# Allegro board RK_NVR_DEMO1_RK3588_LP4XD200P232SD8_V21_20211228_final_lint.brd (continued)
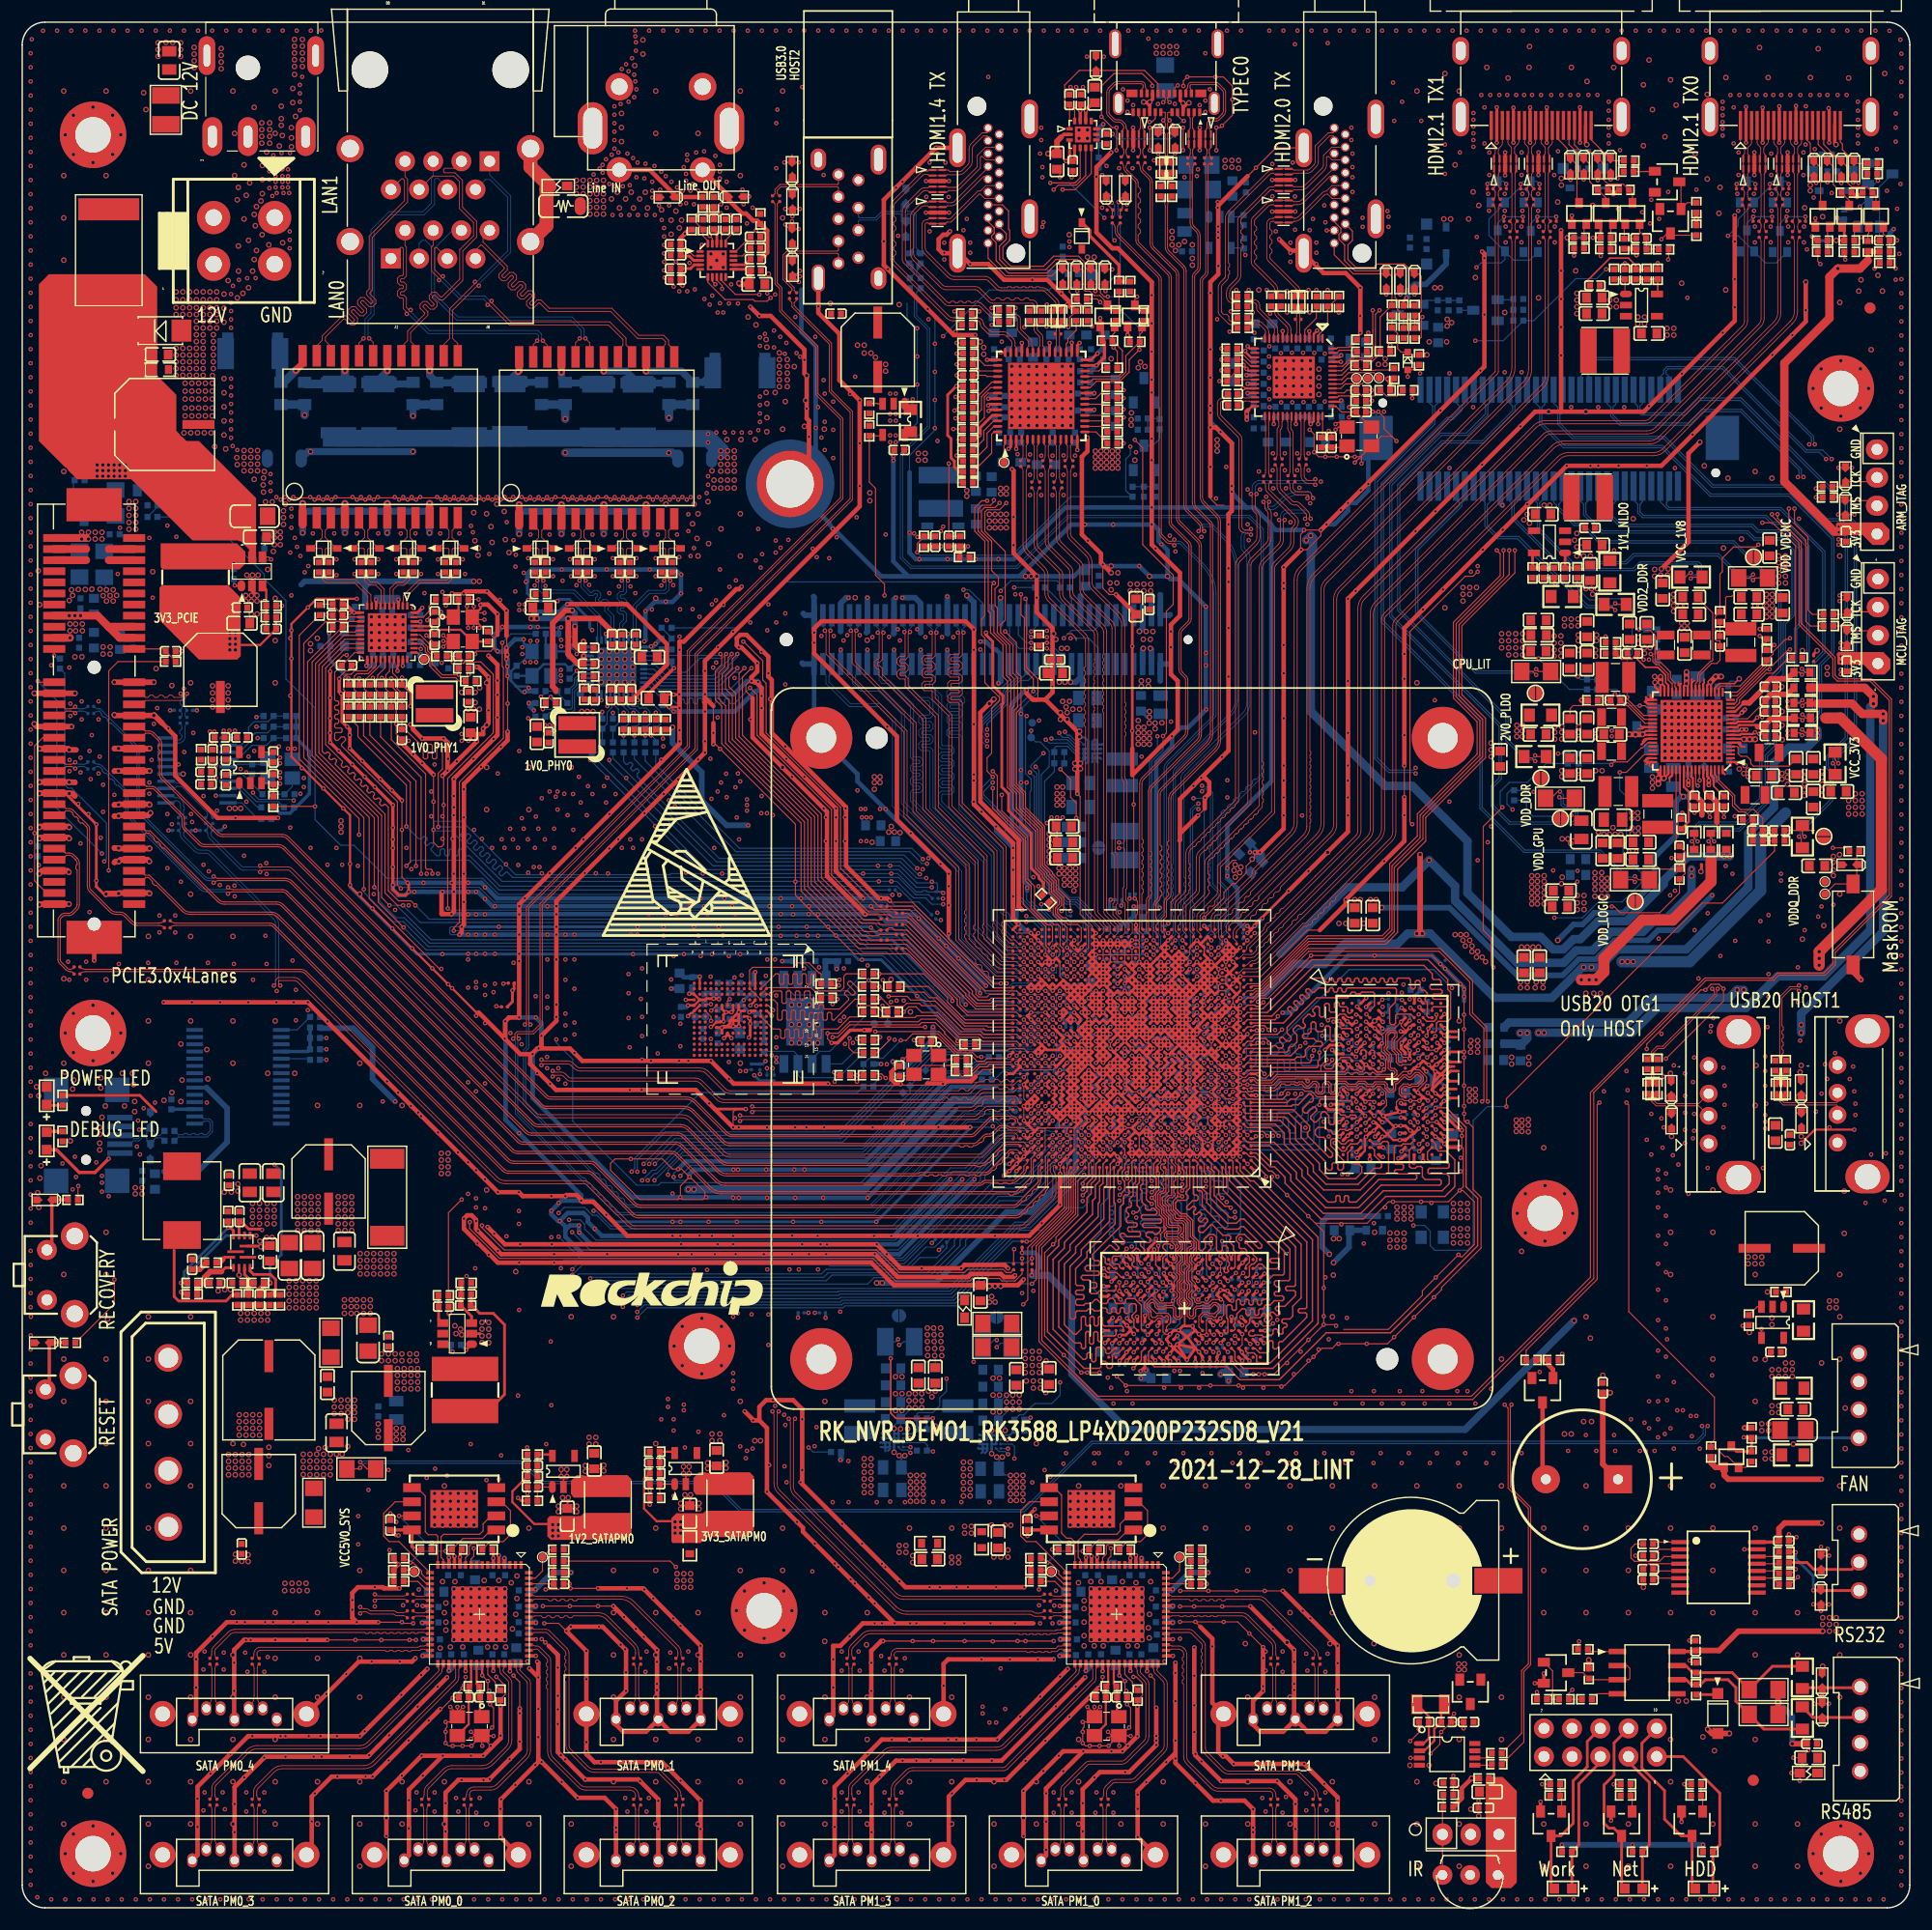
[diagram p0: board, top side]
## Copper pours and planes (outline as drawn; the poured copper is in the pictures) (continued)
VCC_3V3 on BOTTOM: 25.07,120.13 41.32,120.13 41.45,120.01 41.45,119.37 41.2,119.12 31.29,119.12 31.04,118.86 31.04,116.96 30.66,116.96 30.66,118.48 30.15,118.99 28.32,118.99 27.1,117.77 27.1,113.12 26.59,112.62 25.58,112.62 24.86,113.33 24.86,119.93
VCC_3V3 on BOTTOM: 98.12,132.73 100.45,132.73 100.76,133.04 100.76,136.19 100.66,136.29 99.74,136.29 99.64,136.19 99.64,134.26 99.34,133.95 98.02,133.95 97.91,133.85 97.91,132.94
VCC_3V3 on BOTTOM: 95.58,109.87 93.24,109.87 93.14,109.97 93.14,110.79 95.58,110.79 95.68,110.69 95.68,109.97
VCC_3V3 on L3-POWER1: 62.15,80.92 72.31,80.92 75.46,84.07 76.17,84.07 76.58,84.47 76.58,86.1 71.6,91.08 71.6,100.93 73.12,102.46 77.49,102.46 77.8,102.15 77.8,100.63 77.19,100.02 77.19,97.99 77.49,97.68 77.49,89.65 79.02,88.13 79.02,82.24 80.13,81.12 80.13,79.29 74.95,74.11 65,74.11 56.56,65.68 37.97,65.68 37.46,66.18 37.46,69.33 37.87,69.74 52.09,69.74 61.14,78.78 61.14,79.9
VCC_3V3 on L4-S1: 86.64,82.03 94.05,82.03 94.26,81.83 94.26,81.32 93.75,80.81 86.64,80.81 86.33,81.12 86.33,81.73
VCC_3V3 on L4-S1: 129.11,22.39 130.12,22.39 130.33,22.19 130.33,21.18 130.22,21.07 129.21,21.07 129,21.28 129,22.29
VCC_3V3 on L4-S1: 62.15,30.01 62.15,27.07 61.44,26.36 52.6,26.36 50.06,28.9 50.06,39.97 32.99,57.04 32.99,83.66 24.66,91.99 24.66,114.24 25.68,115.26 26.9,115.26 28.22,113.94 28.22,92.5 34.62,86.1 38.58,86.1 39.09,85.59 39.09,61.21 57.99,42.31 57.99,31.23 58.8,30.42 61.75,30.42
VCC_3V3 on L4-S1: 88.26,79.19 94.16,79.19 94.36,78.99 94.36,78.58 94.05,78.27 88.36,78.27 88.16,78.48 88.16,79.09
VCC_3V3 on L4-S1: 76.88,102.76 78.1,102.76 86.13,110.79 95.37,110.79 95.68,110.48 95.68,105.2 97.61,103.27 102.08,103.27 106.55,107.74 106.55,125.11 107.87,126.43 107.87,127.04 104.62,130.29 104.62,139.54 105.74,140.66 105.74,140.96 111.43,146.65 127.79,146.65 129.21,145.23 129.21,142.18 128.9,141.88 126.77,141.88 124.33,144.31 121.49,144.31 120.27,143.1 110.31,143.1 107.47,140.25 107.47,134.97 108.28,134.15 108.28,129.68 110.11,127.86 110.11,121.96 109.7,121.56 109.7,107.43 100.45,98.19 92.53,98.19 92.53,98.29 91.41,99.41 77.09,99.41 76.38,100.12 76.38,102.25
VCC_3V3 on L4-S1: 165.38,101.34 165.38,109.57 163.65,111.29 163.65,122.06 163.35,122.37 163.35,124.6 163.55,124.81 165.48,124.81 166.09,124.2 166.09,111.9 168.83,109.16 168.83,98.7 168.63,98.49 168.63,24.83 168.12,24.33 161.82,24.33 161.72,24.43 161.72,88.33 163.45,90.06 163.45,99.41
VCC_3V3 on L6-S2: 61.24,30.73 62.05,29.91 62.05,26.66 65.3,23.41 129.31,23.41 132.66,26.76 163.85,26.76 164.16,26.46 164.16,23.51 162.63,21.99 160.7,21.99 153.69,14.98 151.36,14.98 150.65,15.69 150.65,16.2 147.8,19.04 59.92,19.04 57.17,21.79 57.17,30.12 57.78,30.73
VCC_3V3 on L6-S2: 108.07,132.63 108.07,131.11 107.87,130.9 103.1,130.9 100.76,133.24 99.64,133.24 99.54,133.34 99.54,135.07 99.74,135.27 102.08,135.27 104.42,132.94 107.77,132.94
VCC_3V3 on L6-S2: 106.45,85.59 106.04,85.18 105.43,85.18 105.33,85.08 105.13,85.08 104.93,84.88 104.93,84.57 105.64,83.86 105.64,82.95 105.33,82.64 105.33,80 105.84,79.49 106.35,79.49 106.65,79.19 106.65,78.99 106.75,78.88 106.75,78.68 106.65,78.58 106.45,78.58 106.14,78.27 104.32,78.27 104.01,78.58 104.01,82.44 104.42,82.85 104.62,82.85 104.82,83.05 104.82,83.66 104.72,83.76 104.32,83.76 104.01,84.07 104.01,85.39 104.42,85.79 104.93,85.79 105.43,86.3 105.43,87.42 106.25,88.23 106.45,88.23 108.58,90.37 111.94,90.37 112.14,90.57 122.6,90.57 122.81,90.37 122.81,89.96 122.71,89.86 113.66,89.86 113.26,89.45 109.7,89.45 107.57,87.32 106.86,87.32 106.45,86.91
VCC_3V3_P on TOP: 163.37,103.22 163.37,103.57 163.75,103.57 164.06,103.88 164.06,104.69 163.83,104.92 163.27,104.92 163.24,104.94 158.04,104.94 157.91,104.82 157.91,103.29 158.04,103.17 163.32,103.17
VCC_OVDD33 on BOTTOM: 118.64,139.54 119.05,139.54 119.15,139.64 119.15,140.15 119.25,140.25 121.49,140.25 121.69,140.45 121.69,143.71 122.2,144.21 124.23,144.21 124.64,143.81 124.64,142.79 123.62,141.77 123.62,138.83 123.21,138.42 118.74,138.42 118.54,138.63 118.54,139.44
VCC_OVDD33 on BOTTOM: 108.89,138.63 110.01,138.63 110.11,138.52 110.41,138.52 110.82,138.93 111.12,138.93 111.33,139.13 111.33,139.64 111.02,139.95 108.99,139.95 108.68,139.64 108.68,138.83
VCC_OVDD33 on L6-S2: 121.18,144.42 109.19,144.42 108.48,143.71 108.48,137.61 108.74,137.36 109.85,137.36 110.11,137.1 110.72,137.1 111.53,137.91 111.53,139.44 112.44,140.35 117.52,140.35 120.67,137.2 123.62,137.2 124.23,137.81 124.23,141.37
VCC_OVDD33_6161 on BOTTOM: 100.35,137.3 100.56,137.1 101.67,137.1 102.08,137.51 102.08,138.52 100.05,140.56 100.05,142.38 98.52,143.91 93.14,143.91 92.23,142.99 92.23,141.67 92.33,141.57 93.14,141.57 93.34,141.77 93.34,142.49 93.75,142.89 98.02,142.89 98.52,142.38 98.52,139.44 98.22,139.13 97.1,139.13 97,139.23 96.19,139.23 95.88,138.93 95.88,137.3 96.09,137.1 96.9,137.1 97,137 97,135.88 96.59,135.48 95.88,135.48 95.78,135.37 95.78,134.76 95.98,134.56 97.31,134.56 97.81,135.07 97.81,137.1 98.02,137.3
VCC_OVDD33_6161 on L6-S2: 87.55,135.37 84.71,135.37 83.89,136.19 83.89,142.69 85.42,144.21 91.62,144.21 92.12,144.72 96.7,144.72 97.2,144.21 100.66,144.21 101.78,143.1 101.78,138.63 100.81,137.66 96.95,137.66 95.07,139.54 88.67,139.54 88.26,139.13 88.26,136.09
VCC_RTC on TOP: 129.94,18.79 129.94,17.98 130.45,17.47 130.45,15.23 130.35,15.13 130.35,14.62 130.45,14.52 131.47,14.52 131.57,14.62 131.57,18.48 131.06,18.99 130.15,18.99
VCCA1V8_IMAGE on TOP: 150.24,95.85 151.13,95.85 151.25,95.72 151.25,94.63 150.95,94.33 150.95,92.8 150.75,92.6 150.34,92.6 150.04,92.91 150.04,95.65
VCCA1V8_IMAGE on BOTTOM: 106.86,81.27 106.73,81.15 106.73,80.89 106.86,80.76 107.24,80.76 107.49,80.51 107.87,80.51 108,80.64 108,81.15 108.25,81.4 108.25,81.78 108.13,81.91 108.13,82.16 108.25,82.29 109.78,82.29 109.9,82.42 111.17,82.42 116.41,87.65 116.41,88.54 116.1,88.84 115.29,88.84 110.92,84.47 110.69,84.47 109.27,83.05 108.38,83.05 108,82.67 106.86,82.67
VCCA1V8_IMAGE on L6-S2: 94.56,79.8 95.17,79.8 95.88,80.51 95.88,82.95 93.44,85.39 93.44,87.42 93.14,87.72 92.63,87.72 92.23,87.32 92.23,84.88 93.75,83.35 94.26,83.35 94.87,82.75 94.87,82.03 95.07,81.83 95.07,81.02 94.87,80.81 94.87,80.41 94.77,80.31 94.46,80.31 94.46,79.9
VCCA1V8_IMAGE_P on TOP: 149.53,96.44 149.27,96.69 149.27,97.58 149.65,97.58 149.91,97.83 149.91,100.25 149.73,100.42 149.73,100.8 150.42,100.12 150.42,98.09 151.25,97.25 151.25,96.61 151.13,96.49 151.1,96.49 151.05,96.44
VCCA1V8_PLDO6 on BOTTOM: 153.54,110.58 153.54,109.82 154.94,109.82 155.06,109.95 155.06,110.02 155.12,110.08 155.12,110.79 154.81,111.09 154.4,111.09 154.4,111.07 154.3,110.96 153.92,110.96
VCCA3V3_PI6C_05 on TOP: 16.33,100.93 15.31,100.93 14.2,102.05 14.2,102.56 15.42,103.78 16.43,103.78 16.43,101.03
VCCA_1V8 on TOP: 151.51,94.51 151.51,95.72 151.64,95.85 152.52,95.85 152.65,95.72 152.65,94.94 152.78,94.81 152.78,94.53 152.98,94.33 152.98,92.4 143.74,83.15 140.28,83.15 139.88,83.56 139.88,85.08 144.35,89.55 147.7,89.55 150.54,92.4 150.85,92.4 151.66,93.21 151.66,94.41 151.56,94.51
VCCA_1V8 on BOTTOM: 97,69.84 97,69.54 96.9,69.44 96.49,69.44 96.39,69.54 96.39,69.84 96.19,70.05 95.98,70.05 95.88,70.15 95.88,70.45 96.59,71.16 96.9,71.16 97,71.06 97,70.86 96.9,70.76 96.7,70.76 96.7,70.15
VCCA_1V8 on BOTTOM: 93.44,74.41 93.65,74.41 93.75,74.31 93.75,74.11 93.95,73.91 93.95,73.6 93.85,73.5 93.85,72.28 93.95,72.18 93.95,71.87 93.85,71.87 93.55,71.57 93.55,71.26 93.44,71.16 93.04,71.16 92.94,71.26 92.94,71.47 93.34,71.87 93.34,74.31
VCCA_1V8 on BOTTOM: 102.18,84.47 102.28,84.47 102.49,84.27 103.4,84.27 103.6,84.47 103.71,84.47 103.81,84.37 103.81,83.86 103.5,83.56 103.3,83.76 102.49,83.76 102.28,83.56 102.08,83.56 102.08,84.37
VCCA_1V8 on BOTTOM: 99.24,84.47 98.83,84.88 98.63,84.88 98.32,85.18 98.32,85.39 98.52,85.59 99.24,85.59 99.34,85.49 99.54,85.49 99.85,85.18 99.85,84.78 99.54,84.47
VCCA_1V8 on L6-S2: 94.36,71.06 94.26,71.16 93.95,71.16 93.04,72.08 93.04,73.91 93.44,74.31 93.65,74.31 93.95,74.01 98.52,74.01 99.34,74.82 99.34,77.06 99.13,77.26 99.13,77.67 99.44,77.97 99.44,84.07 99.13,84.37 99.13,84.68 99.44,84.98 99.44,85.18 100.56,86.3 100.56,89.76 100.25,90.06 100.05,90.06 99.95,90.16 99.95,90.57 100.56,91.18 100.56,92.5 103.6,95.55 121.79,95.55 121.84,95.5 123.26,95.5 125.35,93.41 126.06,93.41 126.36,93.11 126.36,93.01 127.68,91.69 131.65,91.69 135.61,87.72 136.42,87.72 138.66,85.49 142.01,85.49 142.72,84.78 142.72,83.46 142.42,83.15 138.45,83.15 137.84,83.76 135.51,83.76 133.68,85.59 133.68,87.11 130.83,89.96 130.22,89.96 130.17,89.91 126.11,89.91 123.01,93.01 122.1,93.01 122.04,93.06 115.95,93.06 115.54,93.46 112.14,93.46 110.77,92.09 106.75,92.09 102.99,88.33 102.99,85.89 102.28,85.18 102.28,84.37 102.39,84.27 103.5,84.27 104.21,83.56 104.62,83.56 104.72,83.46 104.72,83.25 104.62,83.15 104.21,83.15 103.91,82.85 103.91,82.64 103.71,82.44 103.71,76.65 103.55,76.5 103.55,74.46 103.5,74.41 103.5,74.21 103.3,74.01 102.69,74.01 101.88,73.19 101.17,73.19 100.86,72.89 100.86,72.18 100.76,72.08 100.25,72.08 99.64,71.47 97.81,71.47 96.29,69.94 94.97,69.94 94.36,70.55
VCCA_1V8_P on TOP: 151.76,96.49 152.5,96.49 152.58,96.56 152.58,97.32 151.69,98.21 151.69,98.47 151.31,98.85 151.18,98.85 151.05,98.72 151.05,97.66 151.64,97.07 151.64,96.61
VCCA_3V3 on TOP: 153.03,94.51 153.03,95.72 153.16,95.85 154.05,95.85 154.18,95.72 154.18,94.51
VCCA_3V3_P on TOP: 153.08,96.56 154.1,96.56 154.1,97.07 152.83,98.34 152.58,98.34 152.45,98.21 152.45,97.83 152.96,97.32 152.96,96.69
VCCA_ASPVCC33 on BOTTOM: 116.2,133.55 115.9,133.55 115.19,134.26 114.78,134.26 114.68,134.36 114.68,134.56 114.78,134.66 116.3,134.66 116.3,133.65
VCCA_ASPVCC33 on BOTTOM: 108.28,136.09 108.18,136.19 108.18,137.71 108.68,138.22 109.6,138.22 110.21,137.61 110.21,136.9 110.01,136.69 110.01,136.09
VCCA_PVCC33_6161 on BOTTOM: 93.14,140.25 94.56,140.25 94.66,140.35 94.66,140.86 94.87,141.06 94.87,142.08 94.77,142.18 93.85,142.18 93.75,142.08 93.75,141.37 93.04,140.66 93.04,140.35
VCCA_TPVCC33 on BOTTOM: 116.61,141.17 118.74,141.17 119.25,140.66 119.96,140.66 120.17,140.86 120.17,142.08 119.25,142.99 116.91,142.99 116.41,142.49 116.41,141.37
VCCIO_PHY0 on TOP: 55.8,109.47 55.9,109.57 56.51,109.57 56.82,109.26 56.82,108.65 56.92,108.55 57.45,108.55 58.33,107.68 58.33,107.32 58.34,107.31 58.34,106.8 58.27,106.72 53.26,106.72 52.55,107.43 52.55,108.5 52.75,108.7 52.75,109.21 54.28,109.21 54.28,108.45 54.4,108.32 55.55,108.32 55.8,108.58
VCCIO_PHY1 on BOTTOM: 29.21,110.23 29.21,110.48 27.4,112.29 27.4,114.95 27.61,115.16 27.81,115.16 28.73,114.24 29.54,114.24 29.74,114.04 29.74,112.74 30.94,111.55 30.94,111.55 31.24,111.55 31.24,111.55 31.85,111.55 32.05,111.75 32.05,112.26 32.26,112.46 33.06,112.46 33.06,112.45 33.68,112.45 33.83,112.3 33.83,112.01 34.08,111.75 34.08,111.63 34.11,111.6 34.11,110.69 34.21,110.58 34.52,110.58 34.62,110.48 34.62,109.97 29.46,109.97
VCCIO_SD_P on TOP: 152.83,99.74 153.85,99.74 153.85,100.25 152.58,101.52 152.32,101.52 152.19,101.39 152.19,101.01 152.7,100.5 152.7,99.86
VDD1_1V8_DDR on BOTTOM: 132.51,76.14 132.76,75.89 132.76,75.84 132.87,75.73 139.77,75.73 145.31,70.2 145.31,60.14 137.54,52.37 124.53,52.37 116.3,44.14 101.88,44.14 100.05,45.97 100.05,48 100.86,48.81 101.78,48.81 102.18,48.4 102.18,46.88 102.59,46.47 106.45,46.47 107.77,47.79 107.77,48.51 108.07,48.81 108.99,48.81 109.19,48.61 109.19,47.08 109.8,46.47 113.56,46.47 121.99,54.91 134.29,54.91 140.49,61.1 140.49,68.42 136.57,72.33 130.38,72.33 130.1,72.61 130.1,78.48 130.11,78.49 130.11,79.99 130.43,80.31 132.15,80.31 132.51,79.95
VDD1_1V8_DDR on L4-S1: 131.65,73.8 131.65,70.96 128.29,67.61 125.14,67.61 124.64,67.1 122.6,67.1 121.89,67.81 120.37,67.81 118.95,69.23 118.95,69.74 118.23,70.45 118.23,71.67 118.44,71.87 121.89,71.87 122.2,71.57 122.2,70.65 122.4,70.45 123.21,70.45 123.31,70.55 124.13,70.55 124.84,71.26 124.84,71.77 125.14,72.08 128.09,72.08 130.12,74.11 131.34,74.11
VDD1_1V8_DDR on L4-S1: 121.08,78.38 123.11,78.38 123.92,77.56 124.53,77.56 124.64,77.67 124.64,77.77 125.35,78.48 125.35,78.78 125.85,79.29 126.16,79.29 126.67,79.8 130.22,79.8 131.65,78.38 131.65,76.95 131.44,76.75 129.51,76.75 128.5,77.77 127.89,77.77 127.68,77.56 127.28,77.56 126.67,76.95 126.67,76.85 125.85,76.04 124.23,76.04 123.21,77.06 121.49,77.06 120.67,76.24 119.86,76.24 119.76,76.34 119.15,76.34 118.54,76.95 118.54,77.36 118.23,77.67 118.23,78.88 118.44,79.09 120.37,79.09
VDD1_1V8_DDR on L4-S1: 109.09,47.29 110.41,48.61 110.41,53.38 109.5,54.3 108.89,54.3 108.38,54.81 108.38,55.62 108.58,55.82 108.58,58.87 108.38,59.07 107.77,59.07 107.57,58.87 107.57,58.56 107.47,58.46 107.47,58.16 106.25,56.94 106.25,55.52 106.55,55.21 106.96,55.21 107.16,55.01 107.16,53.59 107.36,53.38 108.07,53.38 108.38,53.08 108.38,52.27 108.07,51.96 107.87,51.96 107.57,51.66 107.57,50.54 107.87,50.23 107.87,48.81 107.67,48.61 107.67,48 108.38,47.29
VDD1_1V8_DDR on L4-S1: 100.76,47.49 102.28,47.49 102.49,47.69 102.49,49.52 102.69,49.73 102.99,49.73 103.3,50.03 103.3,50.94 102.69,51.55 102.69,51.86 101.98,52.57 102.79,53.38 102.79,54.3 102.59,54.5 102.39,54.5 102.28,54.6 102.28,55.01 102.59,55.31 102.69,55.31 103.2,55.82 103.2,56.74 102.79,57.14 102.79,57.75 102.18,58.36 102.18,58.97 102.79,59.58 102.79,60.19 102.28,60.7 101.67,60.7 100.76,59.78 100.76,58.97 100.45,58.67 100.45,55.92 100.35,55.82 100.35,55.41 100.56,55.21 100.96,55.21 101.17,55.01 101.17,53.08 100.45,52.37 100.45,50.54 100.25,50.33 100.25,48
VDD1V2_SATAPM0 on TOP (solid shape): 54.91,35.45 54.91,33.8 54.28,33.16 47.62,33.16 47.32,33.47 47.32,35.09 47.55,35.32 48.18,35.32 48.19,35.32 48.31,35.3 48.43,35.32 48.44,35.32 49.83,35.32 49.84,35.32 49.96,35.3 50.08,35.32 50.09,35.32 50.34,35.32 50.59,35.58 54.79,35.58
VDD1V2_SATAPM0 on TOP: 81.35,33.47 81.35,32.66 80.85,32.15 80.24,32.15 79.83,31.74 78.92,31.74 78.61,32.05 78.61,32.86 79.22,33.47 79.32,33.47 79.42,33.57 81.25,33.57
VDD1V2_SATAPM0 on BOTTOM: 36.88,26.79 35.99,26.79 35.86,26.92 35.86,30.47 37.13,31.74 38.66,31.74 38.78,31.62 38.78,30.73 38.66,30.6 37.89,30.6 37.13,29.84 37.13,27.93 36.88,27.68
VDD1V2_SATAPM0 on BOTTOM: 46.15,24.88 46.53,24.5 46.53,23.49 45.9,22.85 45.9,22.34 44.75,21.2 44.12,21.2 43.99,21.07 43.36,21.07 42.97,21.46 42.97,22.09 43.1,22.22 43.86,22.22 44.12,22.47 44.88,22.47 45.26,22.85 45.26,23.87 45.51,24.12 45.51,24.76 45.64,24.88
VDD1V2_SATAPM0 on L4-S1: 34.31,33.06 34.31,22.6 36.85,20.06 45.39,20.06 47.62,22.29 47.62,31.03 48.74,32.15 48.74,34.79 48.54,34.99 44.78,34.99 43.56,33.77 35.02,33.77
VDD1V2_SATAPM0 on L6-S2: 80.03,32.86 80.03,31.84 79.32,31.13 48.64,31.13 47.83,31.95 47.83,34.69 48.23,35.09 51.08,35.09 53.21,32.96 79.93,32.96
VDD1V2_SATAPM1 on TOP: 85.27,32.38 85.27,31.23 84.76,30.73 82.47,30.73 82.09,31.11 82.09,33.39 82.17,33.47 84.17,33.47
VDD1V2_SATAPM1 on BOTTOM: 94.28,26.79 93.39,26.79 93.27,26.92 93.27,30.47 94.54,31.74 96.06,31.74 96.19,31.62 96.19,30.73 96.06,30.6 95.3,30.6 94.54,29.84 94.54,27.93 94.28,27.68
VDD1V2_SATAPM1 on BOTTOM: 103.55,24.88 103.93,24.5 103.93,23.49 103.3,22.85 103.3,22.34 102.16,21.2 101.52,21.2 101.39,21.07 100.76,21.07 100.38,21.46 100.38,22.09 100.51,22.22 101.27,22.22 101.52,22.47 102.28,22.47 102.66,22.85 102.66,23.87 102.92,24.12 102.92,24.76 103.05,24.88
VDD1V2_SATAPM1 on L4-S1: 93.14,26.13 93.14,25.01 93.77,24.38 93.77,23.87 93.14,23.23 92.89,23.23 92.63,22.98 92.63,22.34 93.14,21.84 96.06,21.84 97.08,20.82 100.12,20.82 101.78,22.47 103.17,22.47 103.43,22.22 104.32,22.22 104.7,22.6 104.7,22.98 104.19,23.49 103.93,23.49 103.46,23.96 103.46,24.54 104.09,25.16 104.09,26.2 103.38,26.92 103.38,27.63 104.29,28.54 104.29,29.66 103.07,30.88 100.94,30.88 99.82,32 96.77,32 96.16,31.39 95.25,31.39 95.15,31.49 95.15,33.01 95.65,33.52 106.55,33.52 107.85,32.22 107.85,17.62 103.93,13.71 90.6,13.71 89.48,14.83 89.48,22.19 84,27.68 83.49,27.68 82.09,29.08 82.09,32.5 82.34,32.76 84.88,32.76 85.39,32.25 85.39,31.41 86.03,30.78 88.52,30.78 91.43,27.87 93.28,27.87 93.72,27.42 93.72,26.71
VDD2_DDR on TOP: 142.01,115.16 143.03,116.17 143.03,118 142.92,118.1 142.11,118.1 141.2,117.19 138.66,117.19 138.35,116.88 138.35,115.66 138.86,115.16 139.27,115.16 139.3,115.19 139.91,115.19 139.95,115.16
VDD2_DDR on BOTTOM: 123.44,64.05 125.78,64.05 126.5,63.33 126.5,61.93 126.37,61.8 125.87,61.8 123.28,61.8 122.86,62.22 122.86,63.47
VDD2_DDR on BOTTOM: 122.98,74.03 123.62,74.03 123.87,73.78 123.87,73.02 124.13,72.76 124.25,72.76 124.51,72.51 124.51,72.38 124.38,72.26 122.6,72.26 122.35,72.51 122.35,72.64 122.6,72.89 122.86,72.89 122.86,73.91
VDD2_DDR on L4-S1: 96.95,46.93 99.13,44.75 126.36,44.75 133.83,52.21 133.83,62.48 139.72,68.37 139.72,84.52 140.59,85.39 142.31,85.39 142.36,85.44 143.89,85.44 148.41,89.96 148.41,94.33 149.43,95.34 149.43,97.48 150.04,98.09 150.04,101.44 147.8,103.67 147.8,111.6 142.21,117.19 139.06,117.19 138.55,116.68 138.55,103.57 144.55,97.58 144.55,91.58 143.43,90.47 138.76,90.47 137.34,89.04 134.8,89.04 132.92,87.16 132.92,84.62 132.36,84.07 117.5,84.07 115.78,82.35 115.78,79.18 114.27,77.67 114.27,66.9 113.46,66.08 100.81,66.08 96.95,62.22
VDD2_DDR_CKE on L3-POWER1: 101.37,70.55 101.98,71.16 102.79,71.16 103.3,70.65 103.3,65.98 102.89,65.57 101.78,65.57 101.37,65.98
VDD2_DDR_CKE on L6-S2: 107.57,72.38 107.47,72.28 106.65,72.28 106.09,71.72 106.09,71.32 105.33,70.55 103.6,70.55 103.4,70.76 102.59,70.76 102.39,70.96 102.39,71.26 102.99,71.87 104.93,71.87 106.04,72.99 106.04,74.82 106.55,75.33 108.07,75.33 108.28,75.13 108.28,72.89 107.77,72.38
VDD2_DDR_P on TOP: 147.06,114.9 147.06,114.52 147.37,114.22 148.77,114.22 149.02,114.47 149.02,116.12 147.7,117.44 146.56,117.44 145.59,118.41 144.35,118.41 144.04,118.1 144.04,115.28 144.35,114.98 146.99,114.98
VDD10_PHY0 on TOP: 53.9,115.26 54.68,115.26 54.79,115.16 54.79,114.67 54.66,114.55 52.63,114.55 51.23,115.94 49.71,115.94 49.45,115.69 49.45,113.15 50.09,112.51 50.21,112.51 50.21,112.9 50.47,113.15 50.72,113.15 50.98,112.9 50.98,111.88 50.85,111.75 49.96,111.75 48.94,112.77 48.94,116.32 49.07,116.45 52.7,116.45
VDD10_PHY0 on TOP: 51.74,105.3 51.84,105.2 51.84,104.11 51.61,103.88 46.4,103.88 43.99,106.29 43.99,115.31 45.26,116.58 46.4,116.58 46.66,116.32 46.66,116.07 46.4,115.82 45.51,115.82 44.75,115.05 44.75,109.59 45.13,109.21 45.13,106.42 45.77,105.78 46.53,105.78 47.01,105.3
VDD10_PHY1 on BOTTOM (solid shape): 34.08,118.23 34.08,117.72 33.91,117.54 33.72,117.54 33.72,117.55 31.93,117.55 31.93,117.54 31.85,117.54 31.67,117.72 31.67,118.23 31.8,118.36 33.96,118.36
VDD10_PHY1 on TOP: 39.72,106.42 40.23,106.93 41.3,106.93 41.6,107.23 41.6,108.5 41.2,108.91 40.05,108.91 39.2,108.06 38.06,108.06 38.05,108.04 35.43,108.04 35.23,107.84 35.23,106.82 35.63,106.42
VDD10_PHY1 on L3-POWER1: 30.33,116.2 30.33,117.72 30.83,118.23 34.9,118.23 34.92,118.2 35.23,118.2 35.63,117.8 35.63,116.58 36.12,116.1 36.12,114.27 34.69,112.84 34.19,112.84 33.37,112.03 33.37,111.52 33.78,111.12 33.78,110.71 34.49,110 40.38,110 41.81,108.58 41.81,106.9 41.63,106.72 35.51,106.72 33.83,108.4 30.02,108.4 29,109.42 29,114.88
VDD_ASPVCC10 on BOTTOM: 113.36,131.61 116.3,131.61 116.41,131.72 116.41,132.43 118.13,134.15 118.13,134.66 116.71,134.66 116.61,134.56 116.61,133.34 116.2,132.94 115.8,132.94 115.59,133.14 115.59,133.34 114.98,133.95 114.48,133.95 114.27,134.15 114.27,134.66 114.17,134.76 112.65,134.76 112.55,134.66 112.55,133.24 113.15,132.63 113.15,131.82
VDD_ASPVCC10 on BOTTOM: 111.12,136.69 111.22,136.59 111.22,135.07 110.72,135.07 110.31,135.48 110.31,136.59 110.41,136.69
VDD_AVCC12_6161 on BOTTOM: 88.67,142.89 90.09,142.89 90.6,142.38 90.6,140.76 90.8,140.56 91.62,140.56 91.92,140.25 92.53,140.25 92.63,140.35 92.63,140.76 92.83,140.96 92.83,141.17 92.73,141.27 92.53,141.27 92.43,141.17 92.02,141.17 91.82,141.37 91.82,142.89 90.6,144.11 88.77,144.11 88.57,143.91 88.57,142.99
VDD_CPU_BIG0 on TOP: 88.36,53.48 88.36,48.71 89.18,47.9 92.73,47.9 92.94,48.1 92.94,49.42 91.41,50.94 91.41,53.08 90.9,53.59 88.47,53.59
VDD_CPU_BIG0 on BOTTOM: 97.84,74.92 97.84,74.8 98.6,74.03 98.85,74.03 98.98,74.16 100.38,74.16 100.51,74.03 101.52,74.03 101.52,75.05 101.27,75.3 101.27,76.19 101.52,76.45 101.52,76.83 101.39,76.95 100.86,76.95 100.56,77.26 100.15,77.26 99.85,76.95 99.85,76.45 99.44,76.04 99.44,75.33 99.29,75.18 98.09,75.18
VDD_CPU_BIG0 on BOTTOM: 89.2,48 93.01,48 93.27,48.25 93.27,52.65 91.92,53.99 88.07,53.99 87.97,53.89 87.97,53.88 87.93,53.84 87.93,52.19 88.06,52.06 88.44,52.06 88.44,49.4 88.82,49.01 88.82,48.38
VDD_CPU_BIG0 on L4-S1: 102.03,73.78 100.51,73.78 100.25,73.53 100.25,71.49 100.12,71.37 100.12,67.99 97.91,65.78 97.91,64.25 96.19,62.53 96.19,50.16 93.77,47.74 85.9,47.74 85.89,47.76 84.03,47.76 81.27,50.53 81.27,52.38 79.93,53.71 79.93,67.05 82.47,69.59 82.47,74.41 85.52,77.46 93.85,77.46 94.66,78.27 99.13,78.27 99.95,77.46 101.9,77.46 102.03,77.34
VDD_CPU_BIG0_P on BOTTOM: 82.88,45.86 83.39,46.37 83.41,46.37 83.61,46.58 83.61,53.84 83.74,53.97 87.55,53.97 87.68,53.84 87.68,52.06 87.3,51.68 87.3,49.27 87.04,49.01 87.04,43.81 86.92,43.68 85.93,43.68 85.57,44.04 83.49,44.04 82.88,44.65
VDD_CPU_BIG1 on TOP: 80.44,48.2 80.13,48.51 80.13,51.55 82.27,53.69 86.94,53.69 87.25,53.38 87.25,51.05 84.4,48.2
VDD_CPU_BIG1 on BOTTOM: 80.41,48.13 82.95,48.13 83.08,48.25 83.08,53.59 82.57,54.09 79.27,54.09 79.14,53.97 79.14,52.32 79.27,52.19 79.65,52.19 79.65,49.52 80.03,49.14 80.03,48.51
VDD_CPU_BIG1 on BOTTOM: 95.17,76.07 95.17,75.81 95.55,75.43 95.55,73.91 95.04,73.4 95.04,72.51 95.17,72.38 95.43,72.38 95.81,72 96.19,72 96.44,72.26 96.44,72.38 96.82,72.76 96.9,72.76 96.9,72.79 97.1,72.99 97.1,73.5 97,73.6 97,74.44 96.9,74.54 96.57,74.54 96.44,74.67 96.44,75.68 95.81,76.32 95.43,76.32
VDD_CPU_BIG1 on L3-POWER1: 96.57,75.68 94.92,75.68 93.9,74.67 88.87,74.67 88.87,74.62 87.96,73.7 79.86,73.7 76.63,70.48 76.63,51.3 78.61,49.32 83.08,49.32 86.54,52.77 86.54,55.41 86.74,55.62 90.8,55.62 91.41,56.23 91.41,59.07 95.88,63.54 95.88,72.08 96.39,72.59 96.7,72.59 97,72.89 97,75.25
VDD_CPU_BIG1_MEM on TOP: 84.3,55.41 84.3,54.3 84.5,54.09 87.96,54.09 88.26,54.4 88.26,55.11 87.86,55.52 86.54,55.52 86.54,55.62 86.43,55.72 85.32,55.72 85.11,55.52 84.4,55.52
VDD_CPU_BIG1_MEM on BOTTOM: 97.1,74.31 97.1,73.6 97.71,72.99 97.91,72.99 98.02,73.09 98.02,73.91 97.51,74.41 97.2,74.41
VDD_CPU_BIG1_MEM on L3-POWER1: 93.75,54.91 93.75,57.85 98.93,63.03 98.93,71.98 98.32,72.59 98.32,72.89 98.02,73.19 98.02,74.21 97.71,74.52 97.31,74.52 97.2,74.41 97.2,72.79 96.8,72.38 96.49,72.38 96.09,71.98 96.09,63.24 91.72,58.87 91.72,56.02 91.11,55.41 87.04,55.41 86.84,55.21 86.84,53.59 87.04,53.38 92.23,53.38
VDD_CPU_BIG1_P on BOTTOM: 77.24,43.81 77.2,43.85 77.19,43.85 77,44.04 74.45,44.04 74.14,44.34 74.14,44.65 74.04,44.75 74.04,46.5 75.16,47.62 75.16,53.89 75.36,54.09 78.76,54.09 78.89,53.97 78.89,52.19 78.51,51.81 78.51,49.4 78.26,49.14 78.26,43.93 78.13,43.81
VDD_CPU_LIT on TOP: 133.21,109.45 133.91,108.75 136.19,108.75 136.32,108.88 136.32,110.41 135.81,110.91 135.81,111.93 136.45,112.56 136.45,115.1 136.41,115.14 136.41,116.59 136.32,116.68 133.98,116.68 132.89,115.59 132.89,113.26 133.21,112.95
VDD_CPU_LIT on BOTTOM: 77.09,98.39 77.09,97.48 77.8,96.77 77.8,95.95 78.1,95.65 79.32,95.65 79.32,97.17 78,98.49 77.19,98.49
VDD_CPU_LIT on BOTTOM: 97.58,75.94 96.82,75.94 96.31,76.45 96.31,78.22 96.06,78.48 96.06,78.86 96.44,79.24 96.44,79.62 96.57,79.75 96.95,79.75 97.2,80 97.2,80.26 97.33,80.38 97.71,80.38 98.09,80 98.35,80 98.47,79.88 98.47,78.99 98.09,78.61 97.53,78.61 97.41,78.48 97.41,76.75 97.71,76.45 97.71,76.07
VDD_CPU_LIT on BOTTOM: 136.32,115.26 136.32,112.82 135.91,112.41 133.47,112.41 132.76,113.12 132.76,115.05 133.17,115.46 136.12,115.46
VDD_CPU_LIT on L3-POWER1: 89.13,80.21 88.82,80.51 88.82,94.89 92.43,98.49 97.37,98.49 103.22,104.35 123.38,104.35 126.46,107.43 132.46,107.43 136.01,110.99 136.01,115.26 134.9,116.37 121.47,116.37 120.76,115.66 99.85,115.66 97.61,113.43 97.61,113.34 93.66,113.34 77.75,97.43 77.75,95.34 78,95.09 78,91.28 77.99,91.27 77.99,89.95 79.8,88.13 79.8,82.42 80.69,81.53 80.69,76.75 82.52,74.92 87.45,74.92 87.86,75.33 94.16,75.33 94.26,75.43 94.26,75.47 94.32,75.47 94.54,75.68 95.73,75.68 95.98,75.94 96.59,75.94 96.7,75.84 97.41,75.84 97.71,76.14 97.71,76.32 98.22,76.83 98.22,79.49 97.51,80.21
VDD_CPU_LIT_P on TOP: 136.95,111.55 137.03,111.47 137.03,111.12 136.45,110.53 136.45,108.88 136.57,108.75 138.99,108.75 139.74,109.5 142.94,109.5 143,109.57 143,112.11 142.8,112.31 136.95,112.31
VDD_DDR on TOP: 134.03,103.62 134.03,104.79 134.11,104.87 135.51,104.87 135.79,104.59 135.81,104.59 135.81,103.27 136.62,102.46 136.62,101.34 136.55,101.26 135.02,101.26 131.44,97.68 131.44,87.93 132.15,87.22 132.15,84.88 131.85,84.57 129.72,84.57 126.67,87.62 126.67,98.09 131.85,103.27 133.68,103.27
VDD_DDR on BOTTOM: 102.16,73.27 102.16,72.76 101.65,72.26 101.65,71.87 101.78,71.75 102.03,71.75 102.28,72 102.28,72.26 102.54,72.51 104.06,72.51 104.19,72.64 104.19,73.02 104.06,73.14 103.81,73.14 103.43,73.53 103.43,73.78 103.3,73.91 103.05,73.91 102.92,73.78 102.92,73.4 102.79,73.27
VDD_DDR on BOTTOM: 105.84,77.08 105.84,76.57 105.71,76.45 105.08,76.45 104.82,76.19 104.19,76.19 103.43,75.43 103.43,74.8 103.3,74.67 103.05,74.67 102.79,74.92 102.79,76.07 103.3,76.57 103.93,76.57 104.57,77.21 105.71,77.21
VDD_DDR on L4-S1: 100.51,71.87 100.25,72.13 100.25,73.14 100.63,73.53 101.78,73.53 102.16,73.91 102.16,77.77 102.18,77.77 102.18,79.09 102.59,79.49 104.93,79.49 105.64,80.21 105.64,81.93 112.85,89.15 131.44,89.15 132.15,88.43 132.15,84.78 131.95,84.57 117.22,84.57 115.29,82.64 115.29,79.39 113.76,77.87 113.76,74.62 113.51,74.36 113.41,74.36 112.75,73.7 112.75,73.09 113.66,72.18 113.66,67.81 112.95,67.1 110.82,67.1 110.61,66.9 101.27,66.9 100.91,67.25 100.91,68.37 100.51,68.78
VDD_DDR_P on TOP: 137.7,105.06 142.68,105.06 142.75,105 142.75,103.22 142.47,102.94 138.63,102.94 138.35,102.66 138.35,101.85 137.74,101.24 137.23,101.24 136.93,101.54 136.93,104.59 137.34,105 137.64,105
VDD_GPU on TOP: 137.97,100.88 135.66,100.88 131.85,97.07 131.85,90.26 132.56,89.55 138.05,89.55 138.45,89.96 138.45,94.63 138.61,94.78 138.61,99.1 138.1,99.1 137.97,99.23
